# Altium PCB Velvet_Controller_V2.0_2023.PcbDoc (part 4 of 4)
Units mm, origin at the board's own origin, x right, y up, seen from the top; angles counter-clockwise.
Board outline 215.4 x 111.4 mm, 4 copper layers (Top Layer, INT1, INT2, Bottom Layer), stack 1.46 mm thick; 362 components, 218 nets, 1223 pads, 730 vias.
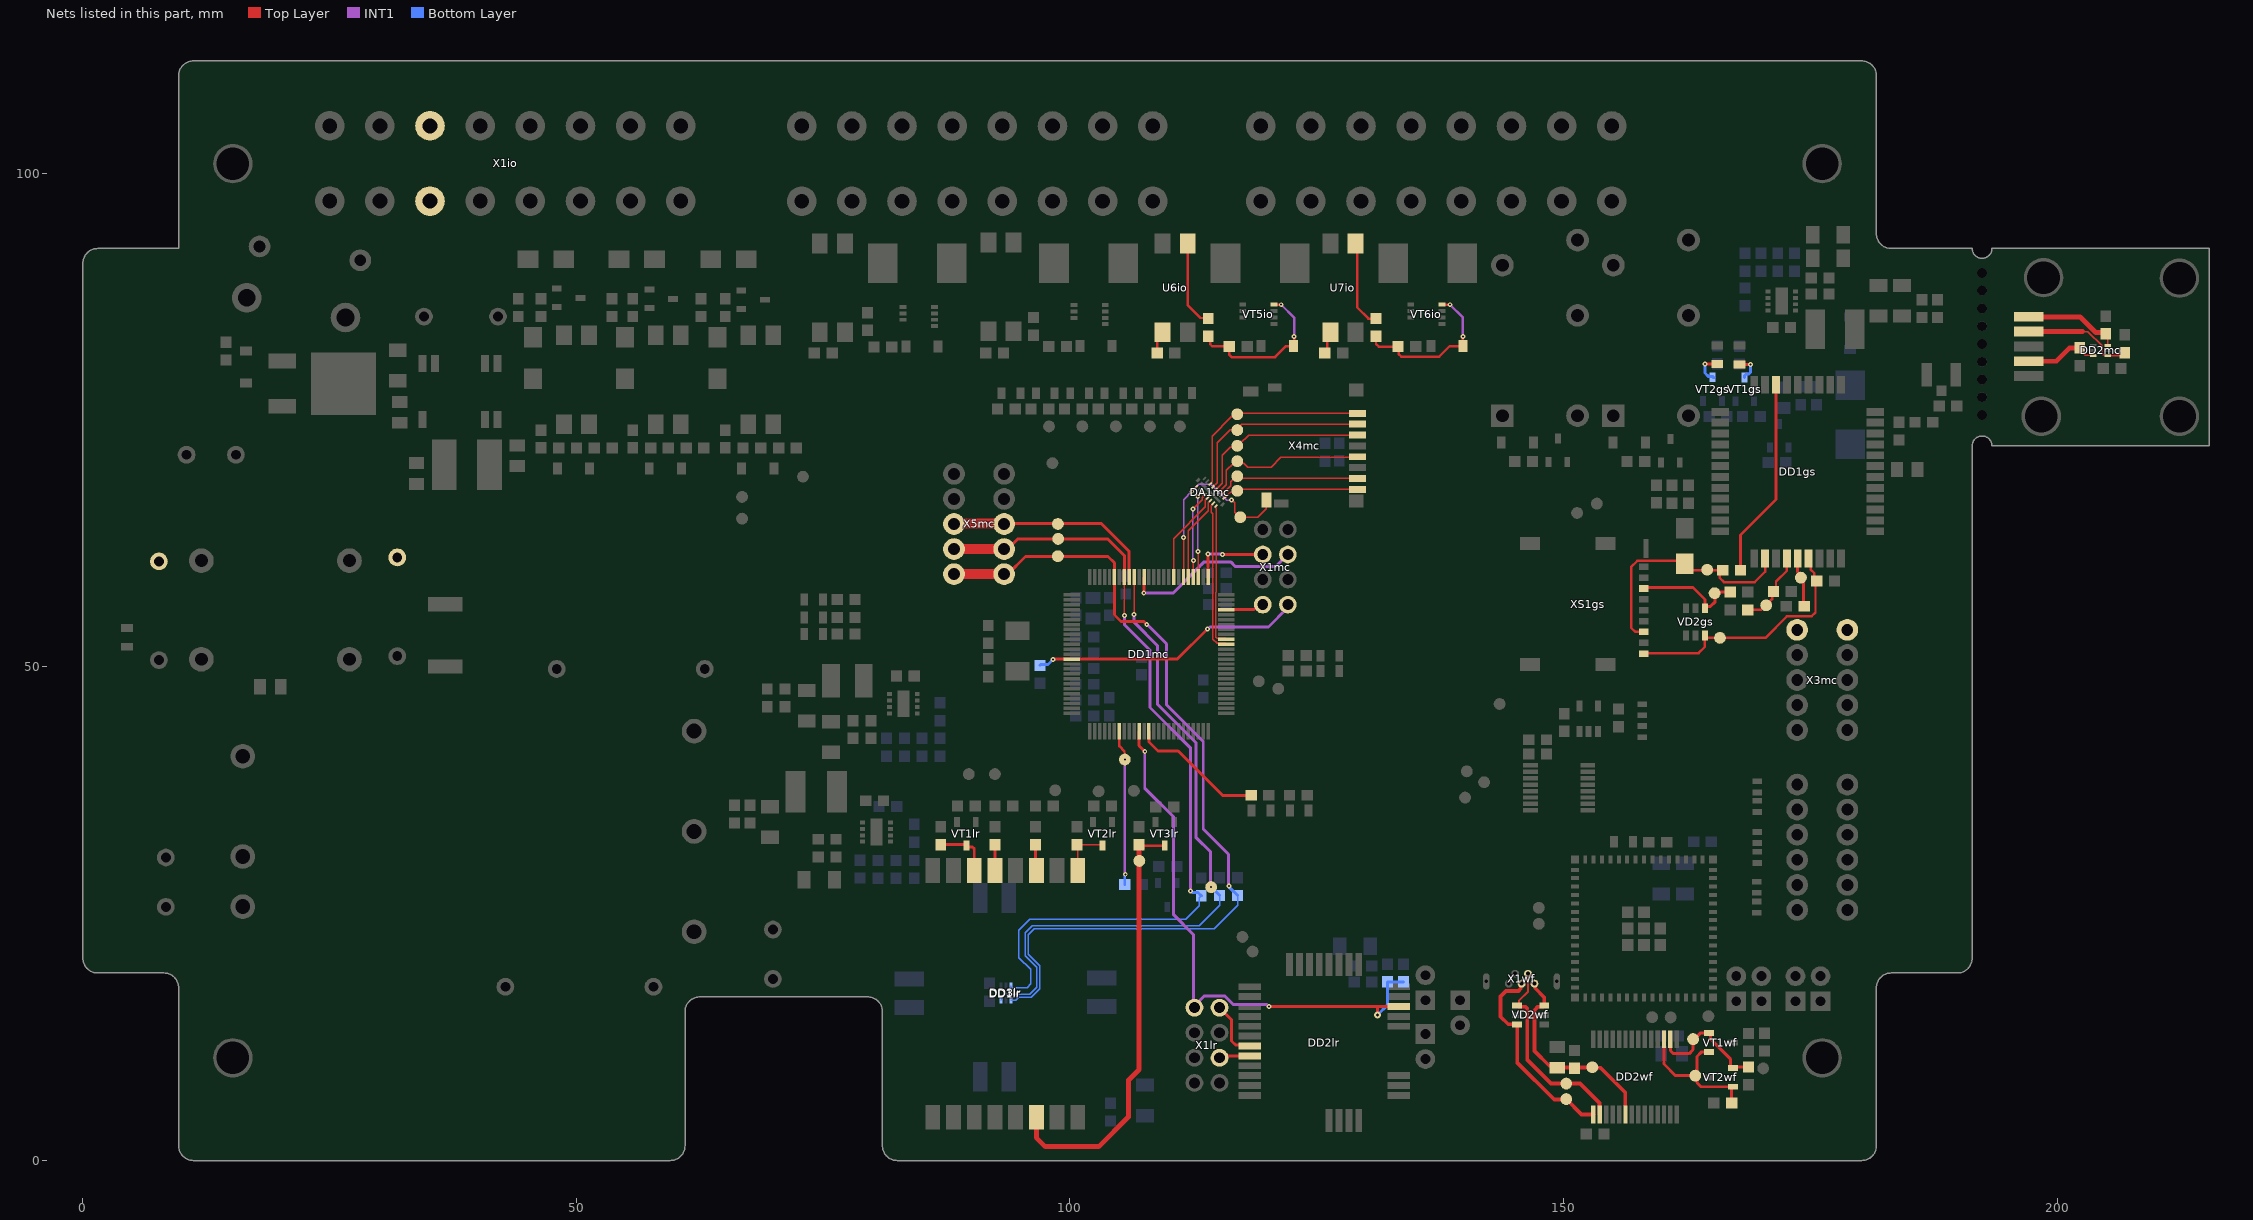
[diagram p6: the nets of this part, all layers, seen from the top]

## Via types
v1: diameter 0.5, hole 0.2, Top Layer to Bottom Layer, tented both sides, 510 vias
v2: diameter 0.7, hole 0.3, Top Layer to Bottom Layer, tented both sides, 220 vias

## Nets (pads, with @x,y where several pads share a name; then routed paths per layer and width w, separated by ;. In a path a pad name is that pad's centre, name@x,y a point inside that pad or via, vN(x,y) a via of type N, cw(c..) or ccw(c..) an arc to the next point about the centre after c; other vN are vias at no path point) (continued)
NetR21io_2: R21io.2 U6io.1 | length 2.3
  Top Layer w0.25: R21io.2@108.825,81.825 108.825,83.345 U6io.1@109.38,83.9
NetR22io_1: R22io.1 R23io.2 VD21io.1 VT5io.4 | length 16.3
  Top Layer w0.25: R22io.1@114,83.5 114.204,83.296 114.204,82.696 114.425,82.475 R23io.2@116.15,82.475 116.15,81.625 116.375,81.4 120.775,81.4 121.875,82.5 VD21io.1@122.635,82.5 122.7,82.5 v1(122.7,83.5) ; VT5io.4@120.675,86.7 v1(121.4,86.7)
  INT1 w0.25: v1(121.4,86.7) 122.7,85.4 v1(122.7,83.5)
NetR22io_2: R22io.2 U6io.3 | length 8.9
  Top Layer w0.25: U6io.3@111.92,92.9 111.92,86.655 113.221,85.354 113.946,85.354 R22io.2@114,85.3
NetR24io_2: R24io.2 U7io.1 | length 2.3
  Top Layer w0.25: R24io.2@125.825,81.825 126.075,82.075 126.075,83.595 U7io.1@126.38,83.9
NetR25io_1: R25io.1 R26io.2 VD22io.1 VT6io.4 | length 16.5
  Top Layer w0.25: R25io.1@131,83.5 131,82.725 131.275,82.45 R26io.2@133.225,82.45 133.329,82.346 133.329,81.671 133.575,81.425 137.4,81.425 138.475,82.5 VD22io.1@139.8,82.5 ; VT6io.4@137.7,86.7 v1(138.5,86.7) ; v1(139.8,83.5) VD22io.1@139.8,82.5 ; VD22io.1@139.835,82.5 VD22io.1@139.8,82.5
  INT1 w0.25: v1(138.5,86.7) 139.8,85.4 v1(139.8,83.5)
NetR25io_2: R25io.2 U7io.3 | length 8.9
  Top Layer w0.25: U7io.3@128.92,92.9 129.1,92.72 129.1,86.425 130.225,85.3 R25io.2@131,85.3
NetVD4gs_2: VD4gs.2 VT1gs.3 | length 2.9
  Top Layer w0.3: VD4gs.2@167.825,80.65 v1(168.95,80.65)
  Bottom Layer w0.3: VT1gs.3@168.35,79.325 168.35,79.525 168.5,79.675 168.766,79.675 168.942,79.851 168.942,80.641 v1(168.95,80.65)
NetVD5gs_2: VD5gs.2 VT2gs.3 | length 3.2
  Top Layer w0.3: v1(164.325,80.675) VD5gs.2@165.575,80.675
  Bottom Layer w0.3: v1(164.325,80.675) 164.325,79.775 164.651,79.449 165.076,79.449 VT2gs.3@165.225,79.3
NRST: C2mc.1 DD1mc.14 X1mc.1 | length 27.8
  Top Layer w0.3: v1(98.275,50.75) 98.329,50.75 98.379,50.8 110.875,50.8 v1(113.925,53.85)
  INT1 w0.3: v1(113.925,53.85) 113.979,53.85 114.179,54.05 120.1,54.05 122.07,56.02 X1mc.1@122.07,56.315
  Bottom Layer w0.3: C2mc.1@96.951,50.176 97.024,50.249 97.774,50.249 v1(98.275,50.75)
NRST_LoRa: C6lr.1 DD1mc.36 DD2lr.22 R7lr.1 X1lr.1 | length 58.2
  Top Layer w0.3: DD1mc.36@107,43.475 107,42.025 v1(107.575,41.45) ; v1(120.175,15.6) 131.05,15.6 ; v2(131.15,14.75) 131.15,15.5 131.05,15.6 ; DD2lr.22@133.305,15.6 131.05,15.6
  INT1 w0.3: v1(107.575,41.45) 107.575,37.725 110.5,34.8 110.5,24.9 112.522,22.878 X1lr.1@112.522,15.574 ; X1lr.1@112.61,15.486 112.61,15.662 113.634,16.686 115.647,16.686 116.508,15.825 119.899,15.825 120.124,15.6 v1(120.175,15.6)
  Bottom Layer w0.3: v2(131.15,14.75) 132.18,15.78 R7lr.1@132.18,18.101 C6lr.1@133.78,18.101
PE: C2p.1 C8p.2 X1io.3 X1io.11 X3mc.1 X3mc.6
RFID_HEAT: DD1mc.32 R16lr.2 TP19lr.1 | length 15.8
  Top Layer w0.25: DD1mc.32@105,43.475 105,41.975 105.521,41.454 105.521,40.654 v1(105.55,40.625)
  INT1 w0.25: v1@105.55,29 105.552,29.002 105.552,29.115 105.55,29.118 v1(105.55,40.625)
  Bottom Layer w0.25: R16lr.2@105.55,27.95 105.55,28.882 105.6,28.932 v1(105.6,29)
RFID_LINK: DD1mc.38 R14mc.2 | length 13.7
  Top Layer w0.3: DD1mc.38@108,43.475 108,42.4 108.912,41.487 110.963,41.487 115.45,37 R14mc.2@118.35,37
RFID_To_MK_EN: DD1lr.11 R6lr.1 TP13lr.1 VT3lr.3 | length 44.1
  Top Layer w0.25: R6lr.1@107,32 107.1,31.9 107.325,31.9 VT3lr.3@109.6,31.9
  Top Layer w0.5: DD1lr.11@96.591,4.373 96.591,2.309 97.5,1.4 102.9,1.4 105.925,4.425 105.925,8.15 107,9.225 107,30.025 107,30.475 R6lr.1@107,32 107,31.975 R6lr.1@107.3,31.675
RFID_To_MK_GPI: DD1lr.8 R4lr.1 VT2lr.3 | length 5.3
  Top Layer w0.15: DD1lr.8@100.791,29.373 100.791,31.909 R4lr.1@100.7,32 102.1,32 103.2,32 VT2lr.3@103.3,31.9
RFID_To_MK_GPO: DD1lr.6 R8lr.2 | length 2.7
  Top Layer w0.3: R8lr.2@96.5,32 96.5,29.465 DD1lr.6@96.591,29.373
RFID_to_MK_RX: DD1lr.3 R2lr.1 VT1lr.3 | length 5.8
  Top Layer w0.3: R2lr.1@86.9,32 89.4,32 VT1lr.3@89.5,31.9 89.65,31.75 90.124,31.75 90.3,31.574 90.3,29.382 DD1lr.3@90.291,29.373
RFID_to_MK_TX: DD1lr.4 R9lr.2 | length 2.6
  Top Layer w0.3: DD1lr.4@92.391,29.373 92.4,29.382 R9lr.2@92.4,32
SD_C/R: DA1mc.12 TP9mc.1 X4mc.3 | length 18.4
  Top Layer w0.15: DA1mc.12@114.763,67.963 115.4,68.6 115.4,71.45 116.217,72.267 116.492,72.267 116.95,72.725 117.074,72.601 117.201,72.601 118.1,73.5 X4mc.3@129.125,73.5
SD_CLK: DA1mc.11 TP10mc.1 X4mc.5 | length 18.6
  Top Layer w0.15: DA1mc.11@115.046,67.68 115.85,68.484 115.85,69.925 116.582,70.657 116.582,70.743 116.475,70.85 116.85,71.225 116.95,71.225 117.101,71.074 TP10mc.1@117.412,71.074 ; TP10mc.1@116.95,70.85 117.146,70.654 117.621,70.654 118.025,70.25 120.4,70.25 121.375,71.225 128.431,71.225 129.05,71.225 X4mc.5@129.125,71.3
  Top Layer w0.3: X4mc.5@128.431,71.3 X4mc.5@129.125,71.3
SD_DAT0: DA1mc.10 TP12mc.1 X4mc.7 | length 15.1
  Top Layer w0.15: DA1mc.10@115.329,67.397 116.275,68.344 116.275,68.75 116.717,69.192 TP12mc.1@116.717,69.617 ; TP12mc.1@116.95,69.325 117.151,69.124 117.539,69.124 117.563,69.1 X4mc.7@129.125,69.1
SD_DAT1: DA1mc.9 TP14mc.1 X4mc.8 | length 13.9
  Top Layer w0.15: DA1mc.9@115.612,67.115 116.215,67.718 116.818,67.718 TP14mc.1@116.95,67.85 117.1,68 X4mc.8@129.125,68
SD_DAT2: DA1mc.14 TP5mc.1 X4mc.1 | length 20.9
  Top Layer w0.15: DA1mc.14@114.197,68.529 114.197,68.544 114.425,68.772 114.425,73.4 116.354,75.329 116.395,75.329 116.691,75.625 TP5mc.1@116.9,75.625 ; TP5mc.1@116.775,75.275 TP5mc.1@116.775,75.6 ; TP5mc.1@116.95,75.6 117.05,75.7 X4mc.1@129.125,75.7
SD_DAT3: DA1mc.13 TP7mc.1 X4mc.2 | length 19.7
  Top Layer w0.15: DA1mc.13@114.48,68.246 114.9,68.666 114.9,72.7 116.213,74.013 TP7mc.1@116.888,74.013 ; TP7mc.1@116.95,74 116.95,74.158 117.392,74.6 X4mc.2@129.125,74.6
SDIO_CLK: DA1mc.6 DD1mc.80 | length 8.7
  Top Layer w0.15: DD1mc.80@112,59.125 112,63.8 114.009,65.809 114.009,66.624 114.233,66.848 DA1mc.6@114.233,66.867
SDIO_CMD: DA1mc.5 DD1mc.83 | length 9.5
  Top Layer w0.15: DD1mc.83@110.5,59.125 110.5,63 113.709,66.209 113.709,66.909 DA1mc.5@113.95,67.15
SDIO_D0: DA1mc.7 DD1mc.65 | length 15.5
  Top Layer w0.15: DA1mc.7@114.516,66.584 114.516,66.549 114.309,66.342 114.309,65.666 114.475,65.5 114.475,57.692 114.475,52.832 114.907,52.4 115.725,52.4 DD1mc.65@115.825,52.3
SDIO_D1: DA1mc.8 DD1mc.66 | length 14.5
  Top Layer w0.15: DA1mc.8@114.799,66.301 114.71,66.213 114.71,66.178 114.799,66.089 114.799,57.592 114.775,57.568 114.775,53.032 114.907,52.9 115.725,52.9 DD1mc.66@115.825,52.8
SDIO_D2: DA1mc.3 DD1mc.78 | length 8.8
  Top Layer w0.15: v1(112.944,67.275) DA1mc.3@113.384,67.716 ; v1(112.975,61.706) 113,61.681 DD1mc.78@113,59.125
  INT1 w0.15: v1(112.944,67.275) 112.944,61.738 v1(112.975,61.706)
SDIO_D3: DA1mc.4 DD1mc.79 | length 8.8
  Top Layer w0.15: v1(112.45,66) 113.409,66.959 113.409,67.139 113.667,67.397 DA1mc.4@113.667,67.433 ; DD1mc.79@112.5,59.125 v1(112.5,60.8)
  INT1 w0.15: v1(112.45,66) 112.45,60.85 v1(112.5,60.8)
SDIO_DET: DA1mc.1 DD1mc.81 TP16mc.1 X4mc.9 | length 20.8
  Top Layer w0.15: DD1mc.81@111.5,59.125 v1(111.5,63.125) ; v1(112.337,67.8) DA1mc.1@112.819,68.281 ; v1(116.375,66.9) 116.428,66.9 116.675,66.653 116.675,65.65 116.974,65.351 117.349,65.351 117.55,65.15 119.025,65.15 119.888,66.013 119.888,66.913 X4mc.9@119.9,66.925
  INT1 w0.15: v1(111.5,63.125) 111.5,66.963 v1(112.337,67.8) 113.062,68.525 114.25,68.525 115.875,66.9 v1(116.375,66.9)
SIM_CLK: C6gs.1 DD1gs.16 R3gs.2 TP10gs.1 | length 7.3
  Top Layer w0.25: R3gs.2@168.675,55.775 170.025,55.775 170.388,56.138 171.121,56.871 171.121,57.496 C6gs.1@171.275,57.65 ; C6gs.1@171.525,57.9 171.525,58.65 172.625,59.75 DD1gs.16@172.625,61
SIM_DATA: R2gs.1 TP9gs.1 VD2gs.4 XS1gs.C7 | length 11.3
  Top Layer w0.3: XS1gs.C7@158.125,57.95 158.22,58.045 163.105,58.045 164.325,56.825 164.325,56.149 164.325,56.074 VD2gs.4@164.325,55.95 164.325,55.999 164.475,56.149 164.899,56.149 165.358,56.608 165.358,57.034 165.448,57.125 165.448,57.375 165.673,57.6 R2gs.1@166.875,57.6
SIM_DET: DD1gs.14 R1gs.2 TP7gs.1 VD3gs.2 XS1gs.SW | length 24.6
  Top Layer w0.25: XS1gs.SW@158.125,53.55 157.275,53.55 156.85,53.975 156.85,60.125 157.485,60.76 161.965,60.76 162.925,59.8 164.25,59.8 165.825,59.8 165.825,59.025 166.25,58.6 169.375,58.6 170.425,59.65 DD1gs.14@170.425,61
SIM_EXT_VDD: DD1gs.40 R1gs.1 | length 20.3
  Top Layer w0.3: R1gs.1@167.925,59.8 167.925,63.375 171.525,66.975 DD1gs.40@171.525,78.6
SIM_RST: DD1gs.17 R4gs.2 TP11gs.1 | length 5.3
  Top Layer w0.3: DD1gs.17@173.725,61 173.725,59.619 174.05,59.294 TP11gs.1@174.05,59.05 ; TP11gs.1@173.731,59.125 174.333,58.524 174.333,56.192 R4gs.2@174.375,56.15
SIM_VDD: C5gs.1 DD1gs.18 TP12gs.1 VD2gs.3 XS1gs.C1 | length 25.7
  Top Layer w0.25: XS1gs.C1@158.125,51.35 158.175,51.4 163.675,51.4 164.325,52.05 VD2gs.3@164.325,53.2 164.325,53.125 164.5,52.95 168.35,52.95 170.45,52.95 172.635,55.135 175.135,55.135 175.525,55.525 C5gs.1@175.525,58.6 ; DD1gs.18@174.825,61 175.028,60.797 175.028,59.872 175.396,59.504 175.396,58.954 C5gs.1@175.625,58.725
SWCLK: DD1mc.76 X1mc.6 | length 7.8
  Top Layer w0.3: DD1mc.76@114,59.125 v1(114,61.425) ; v1(115.47,61.395) X1mc.6@119.53,61.395
  INT1 w0.3: v1(114,61.425) 115.44,61.425 v1(115.47,61.395)
SWCLK_LoRA: DD2lr.8 X1lr.6 | length 3.1
  Top Layer w0.3: X1lr.6@115.15,10.406 115.344,10.6 DD2lr.8@118.205,10.6
SWDIO: DD1mc.72 X1mc.8 | length 3.9
  Top Layer w0.3: DD1mc.72@115.825,55.8 115.85,55.825 118.634,55.825 119.124,56.315 X1mc.8@119.53,56.315
SWDIO_LoRa: DD2lr.7 X1lr.8 | length 5.9
  Top Layer w0.3: X1lr.8@115.15,15.486 116.375,14.261 116.375,12.114 116.781,11.708 118.097,11.708 DD2lr.7@118.205,11.6
SWO: DD1mc.89 X1mc.3 | length 18.3
  Top Layer w0.3: v1(107.475,57.475) 107.5,57.5 DD1mc.89@107.5,59.125
  INT1 w0.3: v1(107.475,57.475) 110.425,57.475 113.15,60.2 113.15,60.224 113.326,60.4 113.35,60.4 113.6,60.65 116.274,60.65 116.724,60.2 119.421,60.2 ccw(c119.53,61.395) 119.639,60.2 120.875,60.2 X1mc.3@122.07,61.395
TS1_ALERT: DD1mc.92 TP4mc.1 X5mc.3 X5mc.8 | length 21.5
  Top Layer w0.3: X5mc.8@88.25,64.485 X5mc.8@88.293,64.528 ; X5mc.3@93.287,64.528 103.172,64.528 105.975,61.725 105.975,59.15 DD1mc.92@106,59.125
  Top Layer w1: X5mc.8@88.293,64.528 X5mc.3@93.287,64.528
TS1_ALERT_TS: DD2mc.3 pad.GND_TS R1mc.1 | length 9.8
  Top Layer w0.15: R1mc.1@204.929,83.746 205.14,83.535 DD2mc.3@205.14,82.575
  Top Layer w0.5: pad.GND_TS@197.125,85.475 202.325,85.475 203.921,83.879 204.796,83.879 R1mc.1@204.929,83.746
TS1_SC_TS: DD2mc.1 pad.5@197.125,83.975 R2mc.1 | length 11.1
  Top Layer w0.15: 202.6,83.975 203.125,83.975 204.57,82.53 204.57,81.734 204.683,81.621 205.094,81.621 DD2mc.1@205.14,81.575
  Top Layer w0.2: DD2mc.1@205.14,81.575 206.575,81.575 R2mc.1@206.713,81.713
  Top Layer w0.5: pad.5@197.125,83.975 202.6,83.975
TS1_SCL: DD1mc.95 DD3lr.1 R19lr.1 TP8mc.1 X5mc.1 X5mc.6 | length 90.2
  Top Layer w0.3: X5mc.1@93.33,59.405 93.705,59.405 95.5,61.2 103.85,61.2 104.5,60.55 DD1mc.95@104.5,59.125 104.5,55.275 105.175,54.6 107.475,54.6 v1(107.775,54.3)
  Top Layer w1: X5mc.6@88.25,59.405 X5mc.1@93.33,59.405
  INT1 w0.3: v1(107.775,54.3) 107.825,54.3 109.775,52.35 109.775,46.175 113.5,42.45 113.5,33.575 116.05,31.025 v1@116.05,27.8
  Bottom Layer w0.15: DD3lr.1@94.004,16.235 94.498,16.235 94.818,16.555 96.055,16.555 96.925,17.425 96.925,19.725 95.775,20.875 95.775,22.85 96.4,23.475 113.199,23.475 113.224,23.5 114.6,23.5 116.975,25.875 R19lr.1@116.975,26.85 R19lr.1@116.975,26.875
  Bottom Layer w0.3: v1(116.1,27.8) 116.138,27.762 116.138,27.687 116.55,27.275 116.575,27.275 R19lr.1@116.975,26.875
TS1_SDA: DD1mc.93 DD3lr.6 R20lr.1 TP6mc.1 X5mc.2 X5mc.7 | length 85.1
  Top Layer w0.15: v1(105.5,55.225) DD1mc.93@105.5,59.125
  Top Layer w0.3: X5mc.2@93.33,61.945 93.676,61.945 94.706,62.975 103.825,62.975 105.5,61.3 DD1mc.93@105.5,59.125
  Top Layer w1: X5mc.7@88.25,61.945 X5mc.2@93.33,61.945
  INT1 w0.3: v1(105.5,55.225) 105.5,54.3 108.1,51.7 108.1,45.9 112.225,41.775 v1@112.225,27.3
  Bottom Layer w0.15: DD3lr.6@94.004,17.715 94.004,17.6 94.079,17.525 95.663,17.525 96.025,17.887 96.025,19.352 94.825,20.552 94.825,23.311 95.939,24.425 111.725,24.425 113.113,25.813 113.113,26.638 R20lr.1@113.3,26.825
  Bottom Layer w0.3: v1(112.2,27.3) 112.254,27.3 112.392,27.162 112.963,27.162 R20lr.1@113.3,26.825
TS1_SDA_TS: DD2mc.6 pad.5@197.125,80.975 R3mc.1 | length 7.5
  Top Layer w0.15: R3mc.1@202.3,82.325 202.775,81.85 202.775,81.663 202.863,81.575 DD2mc.6@203.66,81.575
  Top Layer w0.5: pad.5@197.125,80.975 199.925,80.975 201.275,82.325 R3mc.1@202.3,82.325
TS2_ALERT: DD1mc.91 DD3lr.3 R18lr.1 TP2mc.1 | length 68
  Top Layer w0.15: v1(106.5,55.325) DD1mc.91@106.5,59.125
  INT1 w0.3: v1(106.5,55.325) 106.5,54.524 108.875,52.149 108.875,46.225 112.75,42.35 112.75,32.75 114.25,31.25 v1@114.25,27.7
  Bottom Layer w0.15: DD3lr.3@93.004,16.235 93.079,16.31 93.079,16.613 93.321,16.855 95.905,16.855 96.625,17.575 96.625,19.601 95.475,20.751 95.475,23.062 96.188,23.775 113.075,23.775 115.15,25.85 R18lr.1@115.15,26.85
  Bottom Layer w0.3: v1(114.3,27.7) 114.725,27.275 114.75,27.275 115.15,26.875 R18lr.1@115.15,26.85
USB_DM: DD2wf.16 TP8wf.1 VD2wf.1 X1wf.2 | length 20.2
  Top Layer w0.2: VD2wf.1@145.3,15.7 145.475,15.875 145.475,16.183 146.4,17.108 X1wf.2@146.4,18.924
  Top Layer w0.381: VD2wf.1@145.409,15.59 146.111,15.59 146.335,15.367 146.335,10.191 148.725,7.8 TP8wf.1@150.275,7.8 151.675,7.8 153.641,5.834 153.641,4.71 DD2wf.16@153.675,4.675
USB_DP: DD2wf.15 TP10wf.1 VD2wf.3 X1wf.3 | length 20.8
  Top Layer w0.381: X1wf.3@145.75,17.924 145.67,17.844 145.67,17.422 145.432,17.184 144.184,17.184 143.625,16.625 143.625,14.575 144.4,13.8 VD2wf.3@145.3,13.8 145.3,9.925 149.05,6.175 TP10wf.1@150.25,6.175 ; TP10wf.1@150.275,6.225 151.825,4.675 DD2wf.15@153.06,4.675
USB_DTR: DD2wf.2 R3wf.1 TP4wf.1 VT1wf.1 VT2wf.2 | length 12.8
  Top Layer w0.3: DD2wf.2@160.825,12.275 160.843,12.257 160.843,11.132 161.15,10.825 162.725,10.825 163.125,11.225 TP4wf.1@163.125,12.3 ; TP4wf.1@163.188,12.238 163.85,12.9 VT1wf.1@164.75,12.9 164.874,12.776 164.874,12.326 166.9,10.3 166.9,9.525 167.05,9.375 VT2wf.2@167.15,9.375 167.25,9.475 R3wf.1@168.725,9.475
USB_RTS: DD2wf.3 R4wf.2 TP2wf.1 VT1wf.2 VT2wf.1 | length 15.8
  Top Layer w0.3: DD2wf.3@160.175,12.275 160.175,9.769 161.344,8.6 163.231,8.6 TP2wf.1@163.35,8.6 ; VT1wf.2@164.75,11 164.726,10.976 163.95,10.976 163.522,10.548 163.522,10.5 163.522,9.016 163.231,8.725 163.353,8.603 163.517,8.439 163.517,7.883 163.925,7.475 VT2wf.1@166.95,7.475 ; R4wf.2@167.025,5.825 167.025,7.35 VT2wf.1@167.15,7.475
USB_VBUS: C1wf.1 C2wf.1 DD2wf.20 TP6wf.1 VD2wf.6 X1wf.1 | length 20.2
  Top Layer w0.381: X1wf.1@147.05,17.924 147.13,17.844 147.13,17.445 148.05,16.525 VD2wf.6@148.05,15.7 147.941,15.59 147.416,15.59 147.05,15.225 147.05,11.1 148.552,9.598 149.502,9.598 149.675,9.425 151.3,9.425 152.925,9.425 152.96,9.39 153.76,9.39 156.25,6.9 156.25,5.6
pads on no net: DA1mc.2 DA1p.6 DD1gs.3 DD1gs.4 DD1gs.5 DD1gs.6 DD1gs.7 DD1gs.9 DD1gs.10 DD1gs.11 DD1gs.12 DD1gs.20 DD1gs.22 DD1gs.23 DD1gs.24 DD1gs.25 DD1gs.26 DD1gs.29 DD1gs.38 DD1lr.1 DD1lr.2 DD1lr.5 DD1lr.7 DD1mc.8 DD1mc.9 DD1mc.15 DD1mc.16 DD1mc.17 DD1mc.18 DD1mc.34 DD1mc.35 DD1mc.37 DD1mc.39 DD1mc.40 DD1mc.41 DD1mc.42 DD1mc.43 DD1mc.44 DD1mc.55 DD1mc.60 DD1mc.61 DD1mc.62 DD1mc.63 DD1mc.64 DD1mc.67 DD1mc.70 DD1mc.71 DD1mc.77 DD1mc.82 DD1mc.96 DD1mc.97 DD1mc.98 DD1wf.6 DD1wf.7 DD1wf.8 DD1wf.9 DD1wf.10 DD1wf.11 DD1wf.12 DD1wf.13 DD1wf.14 DD1wf.15 DD1wf.16 DD1wf.17 DD1wf.18 DD1wf.19 DD1wf.20 DD1wf.23 DD1wf.24 DD1wf.25 DD1wf.26 DD1wf.27 DD1wf.28 DD1wf.29 DD1wf.31 DD1wf.32 DD1wf.33 DD1wf.34 DD1wf.35 DD1wf.36 DD1wf.37 DD1wf.38 DD1wf.41 DD1wf.44 DD2lr.3 DD2lr.4 DD2lr.5 DD2lr.6 DD2lr.9 DD2lr.10 DD2lr.12 DD2lr.13 DD2lr.14 DD2lr.15 DD2lr.16 DD2lr.19 DD2lr.20 DD2lr.25 DD2lr.26 DD2lr.27 DD2lr.29 DD2lr.30 DD2lr.31 DD2lr.32 DD2wf.6 DD2wf.8 DD2wf.9 DD2wf.10 DD2wf.11 DD2wf.12 DD2wf.13 DD2wf.14 DD2wf.19 DD2wf.22 DD2wf.23 DD2wf.24 DD2wf.25 DD2wf.26 DD2wf.27 DD2wf.28 DD3mc.7 DD3mc.9 DD3mc.10 K1io.4 K2io.4 VD2wf.4 VD5io.3 VD11io.3 VD16io.3 X1lr.3 X4mc.10 XS1gs.C4 XS1gs.C6 XS1gs.C8

## Polygon pours and split planes (outlines as drawn)
-PWR on Top Layer "-PWR_L01_P023" (solid, pour order 23): 28,106.5 28,97.5 20.5,90 14.5,90 14.5,85.5 20,85.5 28,93.5 30.5,93.5 32.5,95.5 32.5,106.5
+PWR on Top Layer "+PWR_L01_P022" (solid, pour order 22): 27.5,106.5 27.5,97.5 20.5,90.5 14.5,90.5 14.5,94 22.5,102 22.5,106.5
DO3 on Top Layer "DO3_L01_P020" (solid, pour order 20): 137,83.4 131.9,83.4 131.9,86.5 130.5,86.5 130.5,94.5 132.6,94.5 132.6,106.5 137,106.5 137,84
DO_COM3 on Top Layer "DO_COM3_L01_P019" (solid, pour order 19): 141.2,106.5 137.375,106.5 137.375,84.1 141.2,84.1 141.2,88.1
DO2 on Top Layer "DO2_L01_P015" (solid, pour order 15): 120,84.1 120,83.4 114.9,83.4 114.9,87 113.5,87 113.5,106.6 121.8,106.6 121.8,95 120,95
DO1 on Top Layer "DO1_L01_P014" (solid, pour order 14): 100.7,106.2 100.7,87.3 102.8,87.3 102.8,84 97.1,84 97.1,88 96,88 96,106.2
DO0 on Top Layer "DO0_L01_P013" (solid, pour order 13): 80.7,106.3 80.7,94.4 78.8,94.4 78.8,87.3 80.7,87.3 80.7,83.8 85.6,83.8 85.6,106.3 85.1,106.3
DO_COM0 on Top Layer "DO_COM0_L01_P012" (solid, pour order 12): 86,106.3 86,83.8 90.4,83.8 90.4,106.3
DO_COM2 on Top Layer "DO_COM2_L01_P011" (solid, pour order 11): 120.3,84 125.1,84 125.1,94.8 126.3,94.8 126.3,106.6 122.3,106.6 122.3,94.5 120.3,94.5 120.3,89.9
DO_COM1 on Top Layer "DO_COM1_L01_P009" (solid, pour order 9): 101.1,106.2 101.1,88.2 103.1,88.2 103.1,84.2 107.8,84.2 107.8,95.1 105.8,95.1 105.8,106.2
DO5 on Top Layer "DO5_L01_P007" (solid, pour order 7): 154,106.75 154,95 154,92.75 160,92.75 160,89.75 164.75,89.75 164.75,106.75
DO4 on Top Layer "DO4_L01_P006" (solid, pour order 6): 147.5,106.75 147.5,92.5 153.25,92.5 153.25,94.75 152.5,94.75 152.5,106.75
DO_COM4 on Top Layer "DO_COM4_L01_P005" (solid, pour order 5): 142.25,106.75 142.25,88 156.75,88 156.75,91.5 146.75,91.5 146.75,106.75
GND_TS on Top Layer "GND_TS_L01_P069" (solid, remove dead copper, pour order 69): 195.9,85.975 201.9,85.975 201.9,91.975 208.9,91.975 208.9,85.975 214.9,85.975 214.9,78.975 208.9,78.975 208.9,72.975 201.9,72.975 201.9,78.975 195.9,78.975
+3.3V_TS on Top Layer "+3.3V_TS_L01_P003" (solid, pour order 3): 201.3,79.975 201.3,81.125 203.975,81.125 203.975,80.675 205.3,80.675 205.3,79.2 207.975,79.2 207.975,82.825 205.825,82.825 205.825,84.9 203.8,84.9 203.8,86.55 208.95,86.55 208.95,77.35 201.95,77.35 201.95,78.975 195.625,78.975 195.625,79.975
+3.3V on Top Layer "+3.3V_L01_P048" (solid, pour order 48): 76.7,46.9 68.6,46.9 68.6,51.2 76.7,51.2
+5V on Top Layer "+5V_L01_P004" (solid, pour order 4): 65.4,38.3 65.4,49.8 59.225,55.975 56.625,55.975 49.4,63.2 37.525,63.2 33.05,67.675 33.05,69.55 33.2,69.7 34.6,69.7 35.1,70.2 35.1,73.4 38,73.4 38.2,73.2 38.2,67.625 39.825,66 50.2,66 58.1,58.1 59.975,58.1 67.125,50.95 67.125,38.3
+12V on Top Layer "+12V_L01_P059" (solid, pour order 59): 80.6,44.4 80.6,37.7 83.4,37.7 83.4,30.9 75.5,30.9 75.5,22.3 81.1,22.3 81.1,28.8 85.1,28.8 85.1,44.4 82.8,44.4
+4V on Top Layer "+4V_L01_P056" (solid, pour order 56): 178.5,86.2 188.5,86.2 188.5,82.6 178.5,82.6
+12V on Top Layer "+12V_L01_P053" (solid, pour order 53): 173.3,87.6 173.9,87.6 173.9,93.1 170.075,93.1 170.075,98 176,98 176,87.263 173.3,87.263 173.3,87.3
+12V on Top Layer "+12V_L01_P052" (solid, pour order 52): 74.9,43.8 74.9,46.2 81.9,46.2 81.9,43.8
NetC9p_2 on Top Layer "NETC9P_2_L01_P049" (solid, pour order 49): 78.2,51.2 83,51.2 83,48.5 81.5,48.5 81.3,48.3 81.3,46.9 82,46.9 82,46.4 78.2,46.4
+5V on Top Layer "+5V_L01_P047" (solid, pour order 47): 73.2,35.1 65.4,35.1 65.4,39.7 73.2,39.7
NetC32p_2 on Top Layer "NETC32P_2_L01_P046" (solid, pour order 46): 79.2,33.4 75.4,33.4 75.4,35.5 74.4,35.5 74.4,39.5 80,39.5 80,35.7 79,34.7 78.6,34.7 78.6,34.1 78.9,33.8 79.2,33.8
GND on Top Layer "GND_L01_P045" (solid, pour order 45): 176.3,98 176.3,87.2 177.6,87.2 177.6,86.5 188.7,86.5 188.7,90.5 180.2,90.5 180.2,98
GND on Top Layer "GND_L01_P044" (solid, remove dead copper, pour order 44): 154.4,27.025 161.925,27.025 161.925,20.225 154.4,20.225
GND on Top Layer "GND_L01_P037" (solid, pour order 37): 180.675,75.45 180.675,82.3 191.3,82.3 191.3,71.2 180.65,71.2 180.65,74.05 189.275,74.05 189.275,78.775 187.325,78.775 187.325,75.45 182.45,75.45
GND on Top Layer "GND_L01_P036" (solid, pour order 36): 68.8,46.6 72.05,46.6 72.05,45.8 74.475,45.8 74.475,43.45 80.475,43.45 80.475,40.4 68.775,40.4 68.775,46.55
+12V on Top Layer "+12V_L01_P035" (solid, pour order 35): 75.5,33.2 75.5,27.1 69.2,27.1 69.2,22.3 77.5,22.3 77.5,32.7 79.3,32.7 79.3,33.2
NetC1p_1 on Top Layer "NETC1P_1_L01_P032" (solid, pour order 32): 19.5,52.6 33.9,52.6 33.9,49.1 28.9,49.1 28.9,22 1.7,22 1.7,27.4 18.6,27.4 18.6,33.5 13.4,33.5 13.4,43.3 19.5,43.3
GND on Top Layer "GND_L01_P033" (solid, pour order 33): 65.5,34.8 75.1,34.8 75.1,27.5 65.5,27.5
NetC5p_2 on Top Layer "NETC5P_2_L01_P031" (solid, pour order 31): 18.6,44.1 12.3,44.1 12.3,32.8 18,32.8 18,28.2 1.7,28.2 1.7,52.5 18.6,52.5
-PWR on Top Layer "-PWR_L01_P030" (solid, pour order 30): 8,72.7 8,64.6 10.2,62.4 10.2,60.4 11.3,59.3 11.4,59.4 18.3,59.4 18.3,60.5 17.5,61.3 17.5,64.1 12.6,69 12.6,73
NetC4p_1 on Top Layer "NETC4P_1_L01_P029" (solid, pour order 29): 19.4,79.2 13.3,79.2 13,78.9 13,69.3 17.8,64.5 17.8,61.4 19.8,59.4 28.5,59.4 28.5,62.3 21.5,69.3 21.5,77.1
NetFU1p_2 on Top Layer "NETFU1P_2_L01_P025" (solid, pour order 25): 27.7,92.5 20.7,85.5 20.7,83.8 22.1,82.4 22.1,69.4 27.845,63.5 30.4,63.5 30.4,69.4 30.4,91.2 29.1,92.5
-PWR on Top Layer "-PWR_L01_P024" (solid, pour order 24): 16.5,84.5 15,83 15,82.3 12.9,82.3 12.6,82 12.6,71.1 11.8,70.3 8.1,70.3 8,70.4 8,84.5 13.5,90 16.5,90
PE on Bottom Layer "PE_L04_P066" (solid, pour order 66): 11,110 181,110 181,91 190,91 190,20 180,20 180,2 82,2 82,5 107.45,5 107.45,30.175 80,30.175 80,18 60,18 60,1 11,1 11,20 1,20 1,91 11,91
GND_TS on Bottom Layer "GND_TS_L04_P073" (solid, pour order 73): 195.9,85.975 201.9,85.975 201.9,91.975 208.9,91.975 208.9,85.975 214.9,85.975 214.9,78.975 208.9,78.975 208.9,72.975 201.9,72.975 201.9,78.975 195.9,78.975
+4V on Bottom Layer "+4V_L04_P061" (solid, pour order 61): 165.275,80.275 165.275,83.95 167.525,86.2 179.25,86.2 180.625,84.825 188.425,84.825 188.425,77.875 167.65,77.875 165.3,80.225
NetR12lr_1 on Bottom Layer "NETR12LR_1_L04_P042" (solid, pour order 42): 93.1,24.7 109.6,24.7 109.6,26.5 104.7,26.5 104.5,26.7 102.4,28.8 93.1,28.8
NetR13lr_2 on Bottom Layer "NETR13LR_2_L04_P040" (solid, pour order 40): 81.4,16.3 85.9,16.3 85.9,13.271 88.617,10.5 91.7,10.5 91.7,6.4 86.3,6.4 81.4,11.3
NetR12lr_2 on Bottom Layer "NETR12LR_2_L04_P039" (solid, pour order 39): 91.7,26.5 91.7,23.6 89.1,23.6 85.9,20.4 85.9,17.8 83,17.8 81.4,17.8 81.4,22.7 87.5,28.8 91.7,28.8
+12V on Bottom Layer "+12V_L04_P043" (solid, pour order 43): 100.1,17.8 100.1,22.2 106.3,22.2 106.3,17.9 106.2,17.8
NetR14lr_2 on Bottom Layer "NETR14LR_2_L04_P041" (solid, pour order 41): 100.1,13.8 96.8,10.5 93.1,10.5 93.1,7.9 93.1,6.4 100.6,6.4 106.1,11.9 106.1,17.2 100.1,17.2
GND on INT1 "GND_L02_P055" (solid, pour order 55): 31.5,72 35,72 41,78 41,86.5 43.5,86.5 43.5,78 44.5,77 72.5,77 75.5,80 75.5,83 138,83 144,77 164.5,77 166,78.5 166,93.5 170.5,98 180.5,98 180.5,90.5 190.5,90.5 190.5,20.5 180.5,20.5 180.5,1.5 82,1.5 82,6 101,6 107,12 107,22.5 100,22.5 99.5,22 99.5,20.5 99,20.5 98,21.5 98,23 99.5,24.5 110.5,24.5 110.5,27 105,27 103,29 87,29 81,23 81,17 56,17 56,49.5 45,60.5 31.5,60.5
GND_DI on INT1 "GND_DI_L02_P072" (solid, pour order 72): 31.6,83.3 31.6,83.6 38,90 38,96 38,106.5 39,107.5 74,107.5 75,106.5 75,95.5 72.5,93 72.5,78.5 38.5,78.5 33.5,73.5 31.5,73.5 31.5,83.5
+3.3V on INT2 "+3.3V_L03_P060" (solid, pour order 60): 51.4,75.4 129.5,75.4 165,39.9 165,23.8 167.6,21.2 178.3,21.2 180,19.5 180,6.1 176.2,2.3 114,2.3 111.4,4.9 111.4,32.4 107.5,36.3 89.5,36.3 83.9,41.9 64.9,41.9 51.4,55.4 51.4,75.3
+12V on INT2 "+12V_L03_P065" (solid, pour order 65): 170.75,98.075 165.875,93.2 158.475,85.8 157.375,85.8 153.2,81.625 153.2,74.675 153.75,74.125 156.2,74.125 156.825,74.75 156.825,77.2 167.25,87.625 167.25,90.075 170.75,93.575
+12V on INT2 "+12V_L03_P064" (solid, pour order 64): 173.8,97.975 173.8,93.55 170.6,93.55 170.6,97.975
+12V on INT2 "+12V_L03_P057" (solid, pour order 57): 71.7,26.7 76.5,31.5 101.3,31.5 105.9,26.9 105.9,19.5 102.9,19.5 102.8,19.6 102.8,26.2 100.1,28.9 79.7,28.9 77.6,26.8 77.6,22.9 77.2,22.5 72.2,22.5 71.7,23
+4V on INT2 "+4V_L03_P063" (solid, pour order 63): 165.275,80.275 165.275,83.95 167.525,86.2 179.25,86.2 180.625,84.825 188.425,84.825 188.425,77.875 167.65,77.875 165.3,80.225
+5V on INT2 "+5V_L03_P058" (solid, pour order 58): 65.9,40 65.9,36.6 81.1,36.6 85.4,32.3 101.5,32.3 107.1,26.7 107.1,3.1 108.2,2 111.1,2 111.1,31.8 107.2,35.7 89,35.7 84.7,40 67.9,40

## Keep-outs
Keep-Out Layer:
  lines w0.3: 191.4,72.4 cw(c192.4,72.4) 193.4,72.4 215.4,72.4 215.4,92.4 193.4,92.4 cw(c192.4,92.4) 191.4,92.4 183.2,92.4 cw(c183.2,93.9) 181.7,93.9 181.7,109.9 ccw(c180.2,109.9) 180.2,111.4 11.2,111.4 ccw(c11.2,109.9) 9.7,109.9 9.7,92.4 1.5,92.4 ccw(c1.5,90.9) 0,90.9 0,20.5 ccw(c1.5,20.5) 1.5,19 8.2,19 cw(c8.2,17.5) 9.7,17.5 9.7,1.5 ccw(c11.2,1.5) 11.2,0 59.5,0 ccw(c59.5,1.5) 61,1.5 61,15.075 cw(c62.5,15.075) 62.5,16.575 79.5,16.575 cw(c79.5,15.075) 81,15.075 81,1.5 ccw(c82.5,1.5) 82.5,0 180.2,0 ccw(c180.2,1.5) 181.7,1.5 181.7,17.5 cw(c183.2,17.5) 183.2,19 189.9,19 ccw(c189.9,20.5) 191.4,20.5 191.4,72.4 ; 191.4,72.4 191.4,72.4

## Other copper
Top Layer:
  pour cut-out: 81.825,6 85.175,6 85.2,5.975 85.2,1.325 85.075,1.2 85,1.275 81.85,1.275
  pour cut-out: 98.8,23.175 98.8,22.225 99.325,21.7 100.075,21.7 100.075,22.575 100.25,22.75 99.8,23.2 98.9,23.2
  pour cut-out: 80.4,27.6 84.475,27.6 84.625,27.45 84.625,26.95 84.425,26.75 80.325,26.75

## Silkscreen, mask and mechanical layers (free items; w line width, h text height)
Top Overlay:
  drawing of 70 lines, arcs and shapes, not listed
  text "DO0" at 81.651,110.075 h1.6
  text "DO1" at 97.3,110.075 h1.6
  text "DO1_PWR" at 90.852,110.053 h1.6
  text "DO2_PWR" at 105.952,110.053 h1.6
  text "+5V_DI" at 58.266,110.022 h1.8
  text "COM1" at 101.976,110.025 h1.6
  text "DI0" at 39.301,110 h1.8
  text "DI_COM" at 53.057,109.997 h1.8
  text "GND_DI" at 69.576,110.003 h1.6
  text "DO0_PWR" at 75.227,110.003 h1.6
  text "COM0" at 86.452,110 h1.6
  text "-PWR" at 28.251,109.975 h1.8
  text "+PWR" at 23,109.95 h1.8
  text "PE" at 34.194,109.95 h1.8
  text "DI1" at 44.33,109.95 h1.8
  text "DI2" at 49.299,109.95 h1.8
  text "DO2" at 117.937,109.93 h1.8
  text "COM2" at 122.046,109.95 h1.8
  text "DO3_PWR" at 126.264,109.947 h1.8
  text "DO3" at 133.322,109.95 h1.8
  text "COM3" at 137.81,109.93 h1.8
  text "COM4" at 142.831,109.93 h1.8
  text "DO4" at 148.36,109.93 h1.8
  text "DO5" at 153.497,109.93 h1.8
  text "ALRT" at 199.104,85 h1.6
  text "SCK" at 199.087,83.493 h1.6
  text "GND" at 199.038,81.988 h1.6
  text "SDA" at 198.987,80.493 h1.6
  text "3V3" at 199.089,78.988 h1.6
  text "°" at 78.3,71.725 h2.5
  text "C" at 79.125,71.65 h2.5
  text "GND" at 77.55,68.8 h2.5
  text "3V3" at 77.55,66.375 h2.5
  text "ALRT" at 77.549,64.2 h2.5
  text "3V3" at 123.939,63.438 h1.6
  text "3V3" at 127.369,63.438 h1.6
  text "SDA" at 77.698,61.497 h2.5
  text "CLK" at 123.985,60.898 h1.6
  text "SWO" at 127.17,60.903 h1.6
  text "SCL" at 77.701,58.957 h2.5
  text "GND" at 123.888,58.358 h1.6
  text "GND" at 127.318,58.358 h1.6
  text "IO" at 124.538,55.818 h1.6
  text "RST" at 127.4,55.704 h1.6
  text "SIM" at 140.118,55.133 h3
  text "PE" at 184.661,53.255 h2.5
  text "GND" at 183.959,50.715 h2.5
  text "+12V" at 183.749,48.175 h2.5
  text "MISO-" at 183.927,45.667 h2.5
  text "MISO+" at 183.924,43.127 h2.5
  text "MOSI-" at 184.043,37.387 h2.5
  text "MOSI+" at 184.043,34.847 h2.5
  text "SCK+" at 184.043,32.307 h2.5
  text "SCK-" at 184.043,29.767 h2.5
  text "BOOT0_Lora" at 131.197,28.983 h1.4
  text "CS-" at 184.043,27.227 h2.5
  text "BOOT0_Lora" at 139.025,27.208 h1.4
  text "3V3" at 133.125,27.175 h1.4
  text "GND" at 133.05,25.525 h1.4
  text "BOOT0_STM32" at 138.7,25.458 h1.4
  text "CS+" at 184.043,24.687 h2.5
  text "BOOT0_Lora" at 130.997,23.758 h1.4
  text "IO" at 114.796,23.636 h1.4
  text "RST" at 111.713,23.229 h1.4
  text "GND" at 111.627,21.536 h1.4
  text "GND" at 114.127,21.536 h1.4
  text "SWO" at 111.578,19.34 h1.3
  text "CLK" at 114.212,19.336 h1.4
  text "3V3" at 111.572,17.336 h1.4
  text "3V3" at 114.172,17.336 h1.4
  text "S/N" at 33,2.93 h5
  text "Velvet Controller v2.0" at 20.7,2.563 h1.52
Graphics:
  circle w0.25: c37.7,10.4 r3.75
  circle w0.25: c15.2,101 r3.75
  circle w0.25: c37.7,101 r3.75
  circle w0.25: c7.45,55.7 r3.75
  circle w0.25: c7.45,75.7 r3.75
  circle w0.25: c7.45,35.7 r3.75
  circle w0.25: c183.95,35.7 r3.75
  circle w0.25: c183.95,75.7 r3.75
  circle w0.25: c183.95,55.7 r3.75